# Altium PCB PicoPrint - Copy.PcbDoc (part 4 of 4)
Units mm, origin at the board's own origin, x right, y up, seen from the top; angles counter-clockwise.
Board outline 110 x 64 mm, 4 copper layers (Component Side, Ground Plane, Power Plane, Solder Side), stack 0.844 mm thick; 229 components, 197 nets, 1715 pads, 420 vias.
Unrouted connection lines stored in the file: 380.
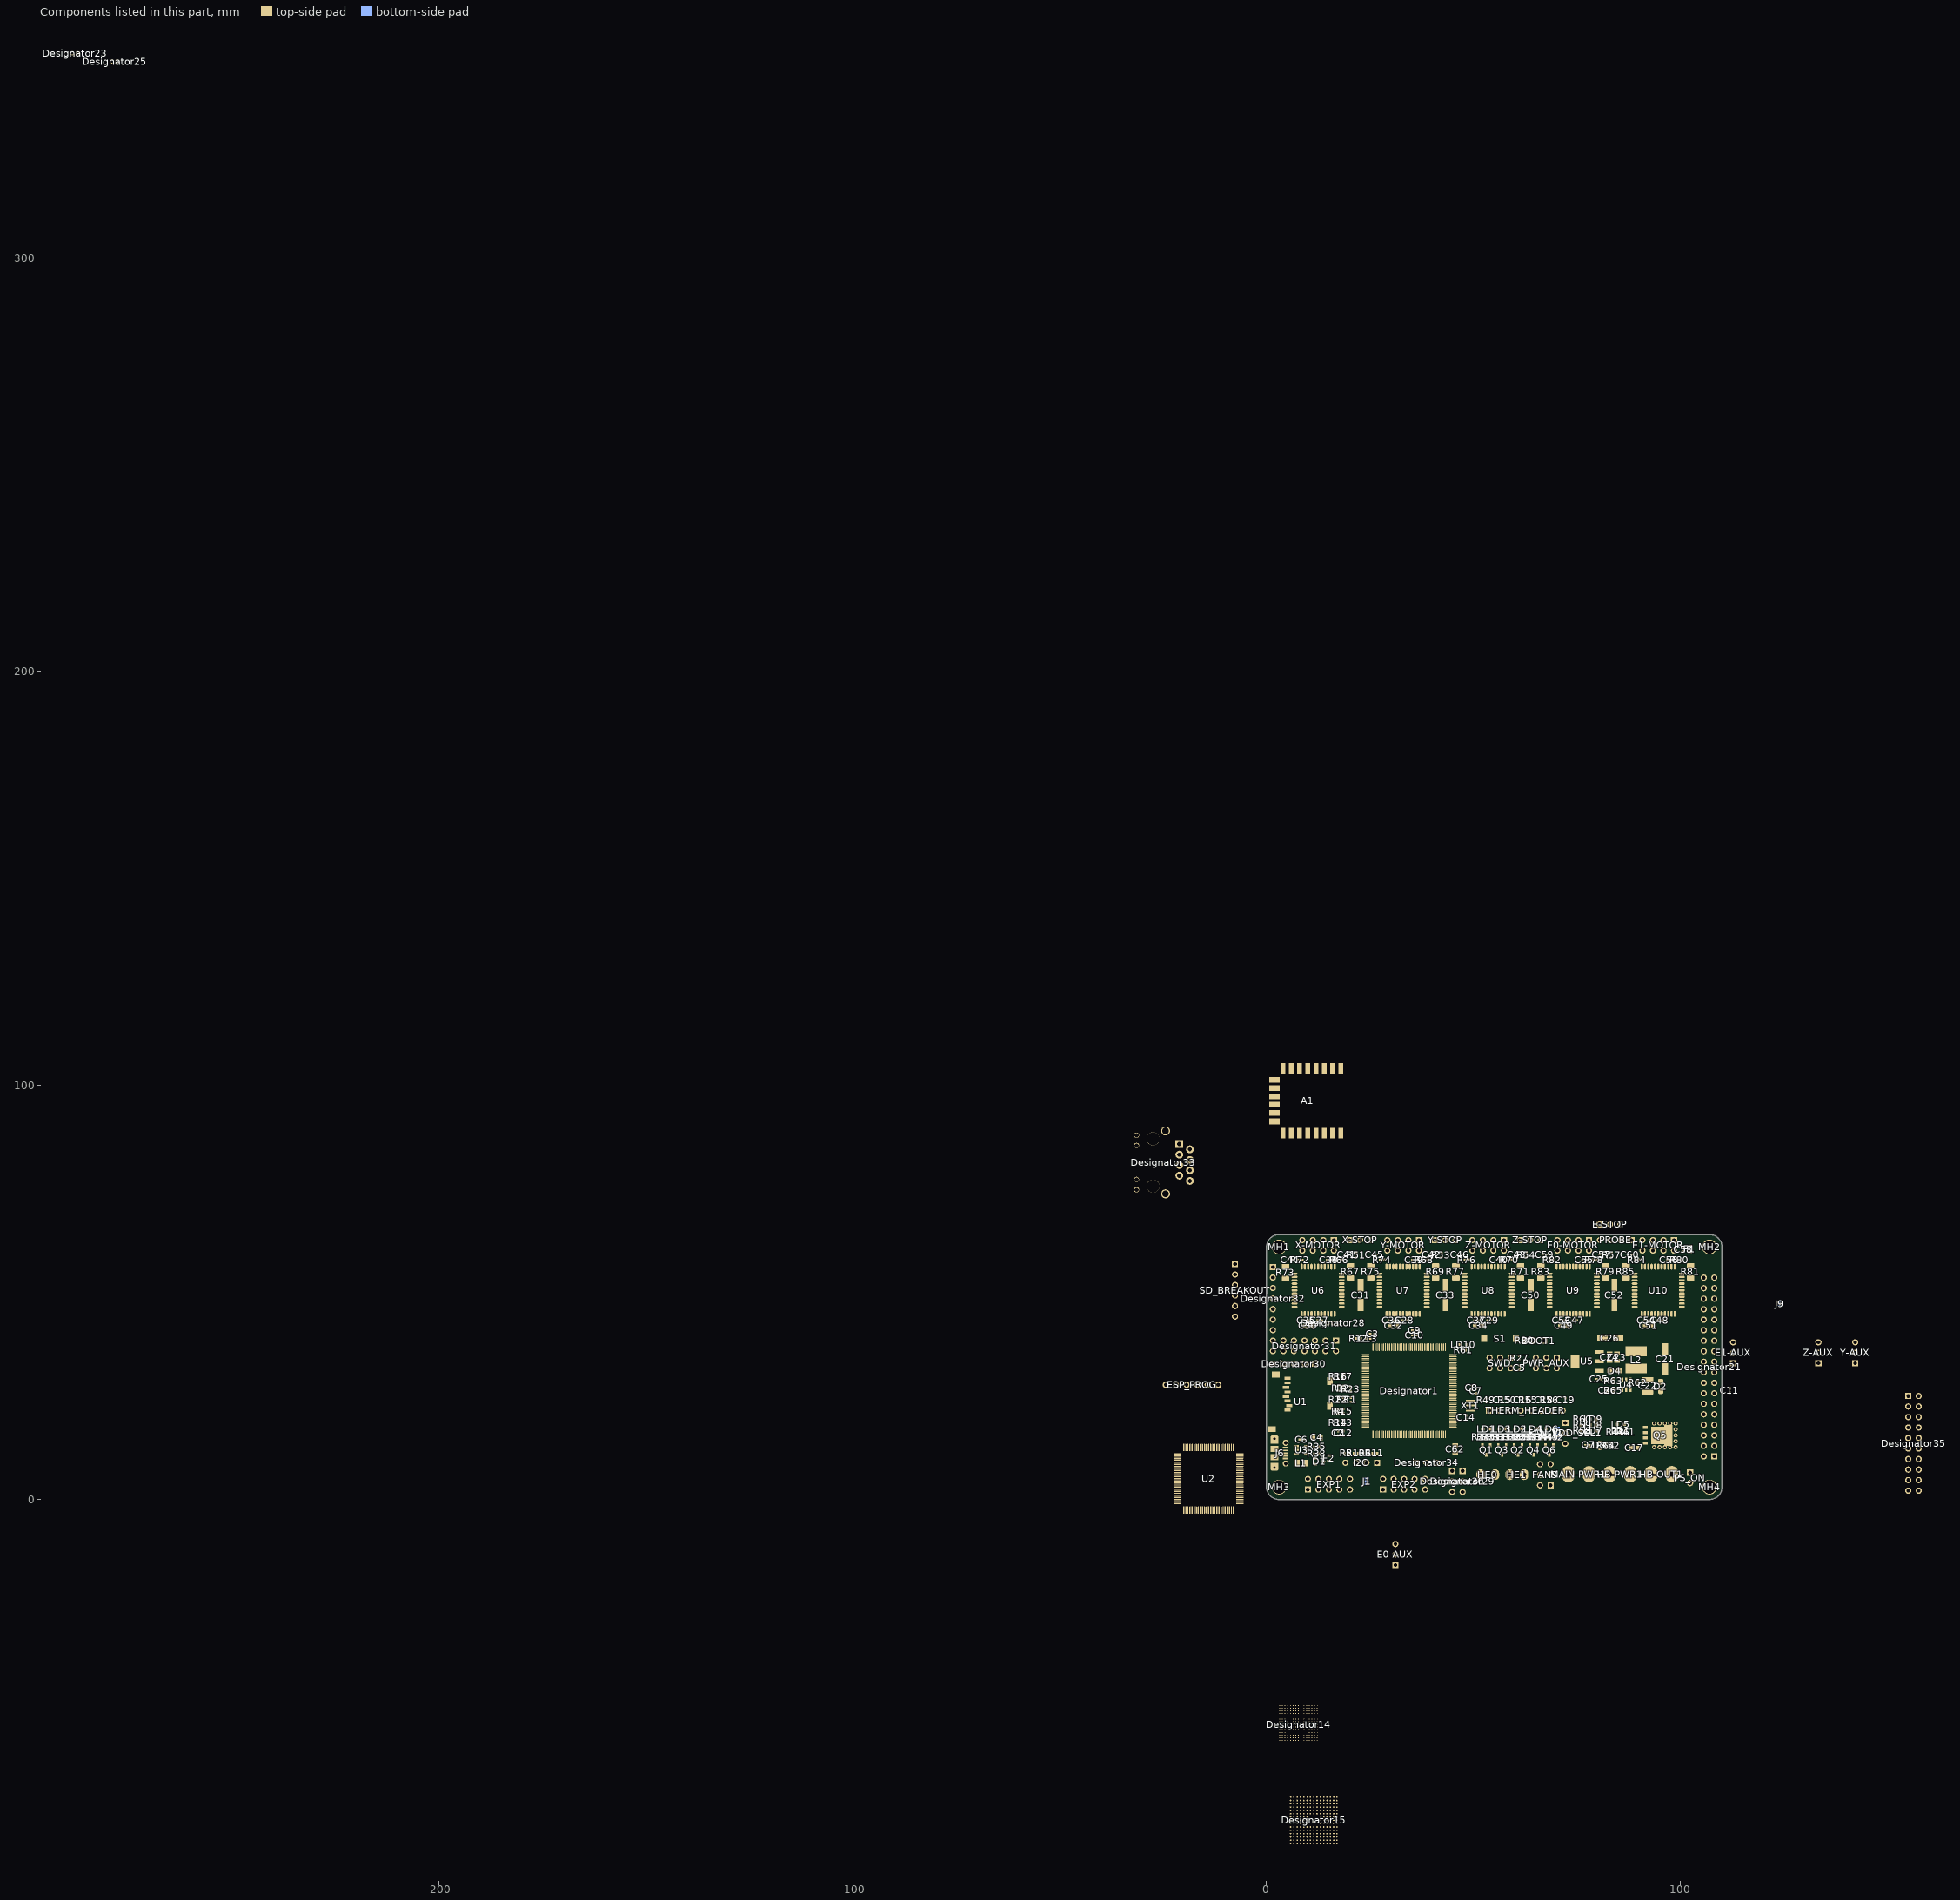
[diagram p6: the components of this part, seen from the top]

## Silkscreen, mask and mechanical layers (free items; w line width, h text height) (continued)
Bottom Overlay:
  circle w0.254: c55.158,1.225 r1.092
  circle w0.254: c62.158,1.225 r1.092
  circle w0.254: c68.59,1.248 r0.9
  circle w0.254: c77.826,1.225 r1.092
  circle w0.254: c87.826,1.225 r1.092
  circle w0.254: c97.826,1.225 r1.092
  rectangle: 49.5,0 50.1,2.5
  rectangle: 55.742,0.209 55.92,0.336
  rectangle: 54.269,0 54.523,0.288
  rectangle: 55.793,2.129 56.11,2.241
  rectangle: 54.396,2.114 54.523,2.5
  rectangle: 53.888,0.209 54.396,0.59
  rectangle: 55.92,0.209 56.301,0.59
  rectangle: 55.92,1.86 56.174,2.241
  rectangle: 54.142,1.86 54.396,2.213
  rectangle: 54.142,2.213 56.301,2.5
  rectangle: 54.142,0 56.301,0.209
  rectangle: 56.174,0 57.1,2.5
  rectangle: 53.331,0 54.142,2.5
  rectangle: 60.331,0 61.142,2.5
  rectangle: 63.174,0 64.8,2.5
  rectangle: 61.142,0 63.301,0.209
  rectangle: 61.142,2.213 63.301,2.5
  rectangle: 61.142,1.86 61.396,2.213
  rectangle: 62.92,1.86 63.174,2.241
  rectangle: 62.92,0.209 63.301,0.59
  rectangle: 60.888,0.209 61.396,0.59
  rectangle: 61.396,2.114 61.523,2.5
  rectangle: 62.793,2.129 63.11,2.241
  rectangle: 61.269,0 61.523,0.288
  rectangle: 62.742,0.209 62.92,0.336
  rectangle: 67.251,0 67.524,2.523
  rectangle: 69.656,0 69.965,2.523
  rectangle: 67.524,0 69.683,0.232
  rectangle: 67.524,2.236 69.683,2.523
  rectangle: 67.524,1.883 67.778,2.236
  rectangle: 69.302,1.883 69.556,2.264
  rectangle: 69.302,0.232 69.683,0.613
  rectangle: 67.27,0.232 67.778,0.613
  rectangle: 67.778,2.137 67.905,2.523
  rectangle: 69.175,2.152 69.492,2.264
  rectangle: 67.651,0 67.905,0.311
  rectangle: 69.124,0.232 69.302,0.359
  rectangle: 49.9,0 95.5,0.2
  rectangle: 49.5,2.35 95.8,2.55
  rectangle: 75.286,0 76.81,2.55
  rectangle: 78.842,0 80.5,2.5
  rectangle: 76.81,0 78.969,0.209
  rectangle: 76.81,2.213 78.969,2.55
  rectangle: 76.81,1.86 77.064,2.213
  rectangle: 78.588,1.86 78.842,2.241
  rectangle: 78.588,0.209 78.969,0.59
  rectangle: 76.556,0.209 77.064,0.59
  rectangle: 77.064,2.114 77.191,2.5
  rectangle: 78.461,2.129 78.778,2.241
  rectangle: 76.937,0 77.191,0.288
  rectangle: 78.41,0.209 78.588,0.336
  rectangle: 85.286,0 86.81,2.55
  rectangle: 88.842,0 90.5,2.5
  rectangle: 86.81,0 88.969,0.209
  rectangle: 86.81,2.213 88.969,2.55
  rectangle: 86.81,1.86 87.064,2.213
  rectangle: 88.588,1.86 88.842,2.241
  rectangle: 88.588,0.209 88.969,0.59
  rectangle: 86.556,0.209 87.064,0.59
  rectangle: 87.064,2.114 87.191,2.5
  rectangle: 88.461,2.129 88.778,2.241
  rectangle: 86.937,0 87.191,0.288
  rectangle: 88.41,0.209 88.588,0.336
  rectangle: 98.41,0.209 98.588,0.336
  rectangle: 96.937,0 97.191,0.288
  rectangle: 98.461,2.129 98.778,2.241
  rectangle: 97.064,2.114 97.191,2.5
  rectangle: 96.556,0.209 97.064,0.59
  rectangle: 98.588,0.209 98.969,0.59
  rectangle: 98.588,1.86 98.842,2.241
  rectangle: 96.81,1.86 97.064,2.213
  rectangle: 96.81,2.213 98.969,2.55
  rectangle: 96.81,0 98.969,0.209
  rectangle: 98.842,0 100.5,2.55
  rectangle: 95.286,0 96.81,2.55
  region: 68.4,2.3 67.89,1.72 67.71,1.248 68.056,0.616 68.47,0.36 68.54,0.05 67.71,0.18 67.62,0.18 67.325,0.475 67.31,2.3
  region: 68.8,2.3 69.3,1.72 69.48,1.248 69.134,0.616 68.72,0.36 68.65,0.05 69.48,0.18 69.57,0.18 69.865,0.475 69.88,2.3
  lines w0.2: 96.789,19.05 96.789,32.004
  lines w0.203: 59.396,44.773 83.602,44.773 ; 59.624,56.636 83.602,56.636
  text "BOARD MODEL" at 83.576,54.909 h1.02
  text "PicoPrint" at 83.449,52.953 h1.4
  text "V0.2A" at 63.104,52.648 h1.02
  text "....................................................." at 83.449,52.14 h0.55 r180
  text "OPEN SOURCE" at 83.5,50.083 h1.07
  text "3D PRINTER ELECTRONICS" at 83.5,48.457 h1.02
  text "....................................................." at 83.449,47.644 h0.55 r180
  text "WWW.AUS3D.COM.AU" at 83.5,45.663 h1.02
  text "ENDSTOPS" at 99.8,36.5 h0.6
  text "3V" at 96.95,35.5 h0.6
  text "5V" at 98.95,35.5 h0.6
  text "GND" at 96.131,30.734 h0.9
  text "+5V" at 99.838,30.734 h0.9
  text "PE12" at 96.131,29.464 h0.9
  text "PE13" at 100.672,29.464 h0.9
  text "PE14" at 96.131,28.194 h0.9
  text "PE0" at 99.838,28.194 h0.9
  text "PE7" at 96.131,26.924 h0.9
  text "PC13" at 100.672,26.924 h0.9
  text "PC14" at 96.131,25.654 h0.9
  text "PC15" at 100.672,25.654 h0.9
  text "PE5" at 96.131,24.384 h0.9
  text "PE4" at 99.838,24.384 h0.9
  text "ESP8266" at 13.4,24.3 h1.5
  text "PE6" at 96.131,23.114 h0.9
  text "PE1" at 99.505,23.114 h0.9
  text "PE2" at 96.131,21.844 h0.9
  text "PE3" at 99.838,21.844 h0.9
  text "SDA" at 96.131,20.554 h0.9
  text "SCL" at 99.838,20.554 h0.9
  text "GND" at 96.131,19.254 h0.9
  text "VIN" at 99.672,19.254 h0.9
  text "5V" at 69.318,16.749 h0.9
  text "FANS" at 69.318,15.459 h0.9
  text "VIN" at 69.318,14.169 h0.9
  text "HE1" at 54.8,9.8 h1
  text "HE0" at 61.8,9.8 h1
  text "FANS" at 69.2,9.8 h1
  text "MAIN-PWR" at 79,9.8 h1
  text "HB-PWR" at 88.1,9.8 h1
  text "HB-OUT" at 98.1,9.8 h1
  text "3V" at 24.7,5.6 h0.6
  text "I2C" at 26.5,4.182 h0.6
  text "5V" at 24.7,2.6 h0.6
  text "+" at 68.025,0.392 h1.7
  text "-" at 65.485,0.372 h1.7
  text "-" at 50.993,0.209 h2
  text "+" at 54.523,0.209 h2
  text "-" at 57.943,0.209 h2
  text "+" at 61.523,0.209 h2
  text "-" at 72.111,0.209 h2
  text "+" at 77.191,0.209 h2
  text "-" at 82.111,0.209 h2
  text "+" at 87.191,0.209 h2
  text "-" at 92.111,0.209 h2
  text "+" at 97.191,0.209 h2
Mechanical 4:
  the board outline again, w0.1
Mechanical 15:
  lines w0.254: 15.24,33 97.536,33 97.536,52.578